# KiCad board Keyboard2.kicad_pcb
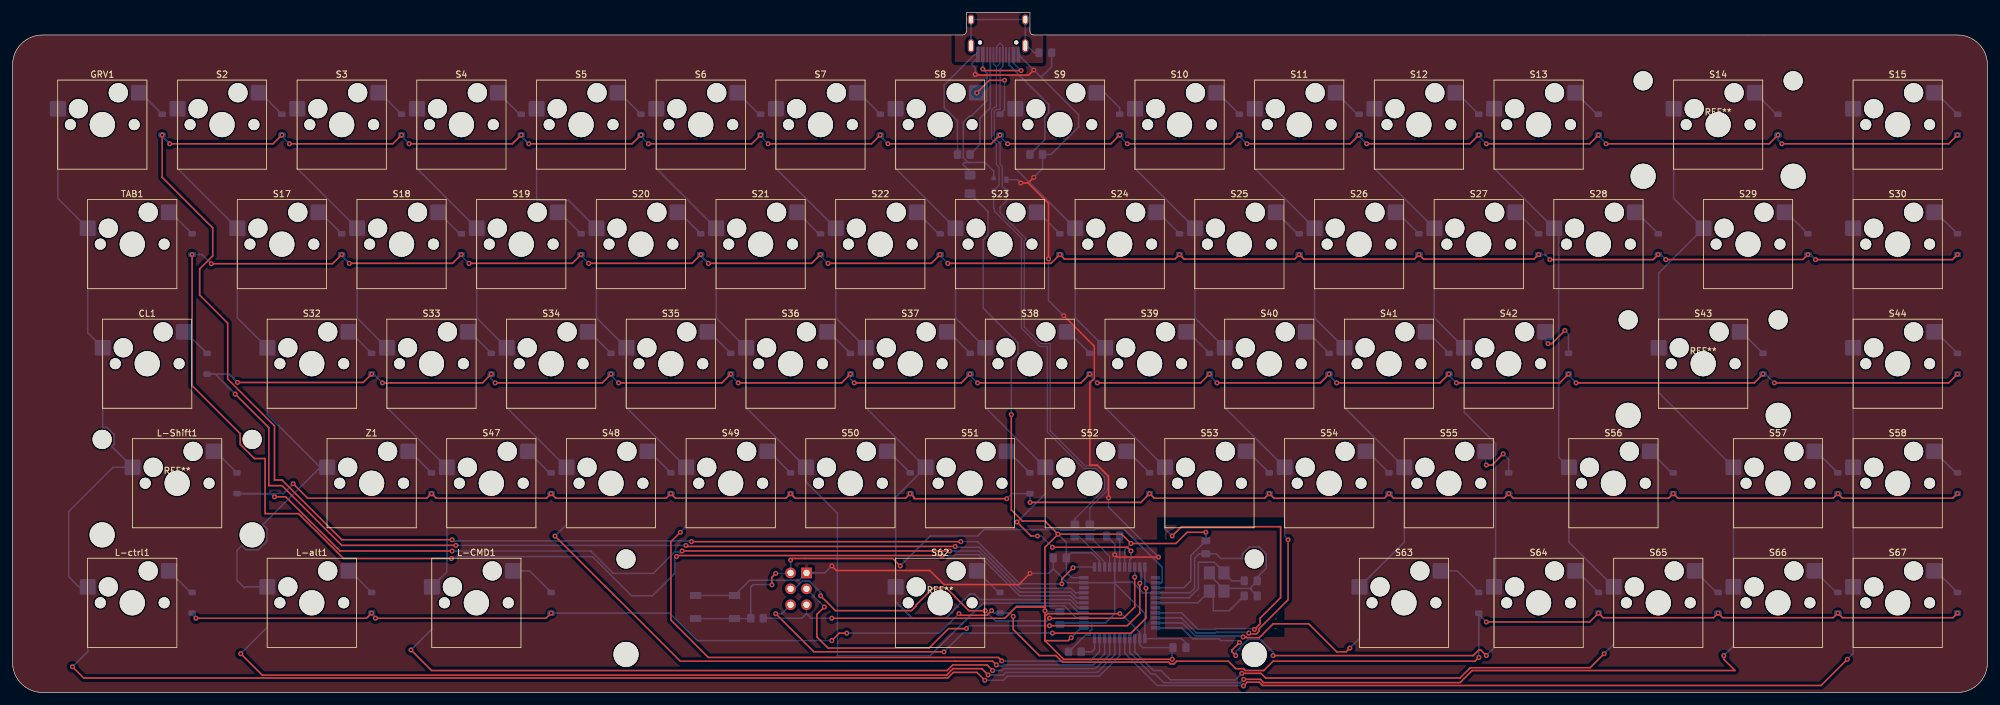
[diagram p0: board, top side]
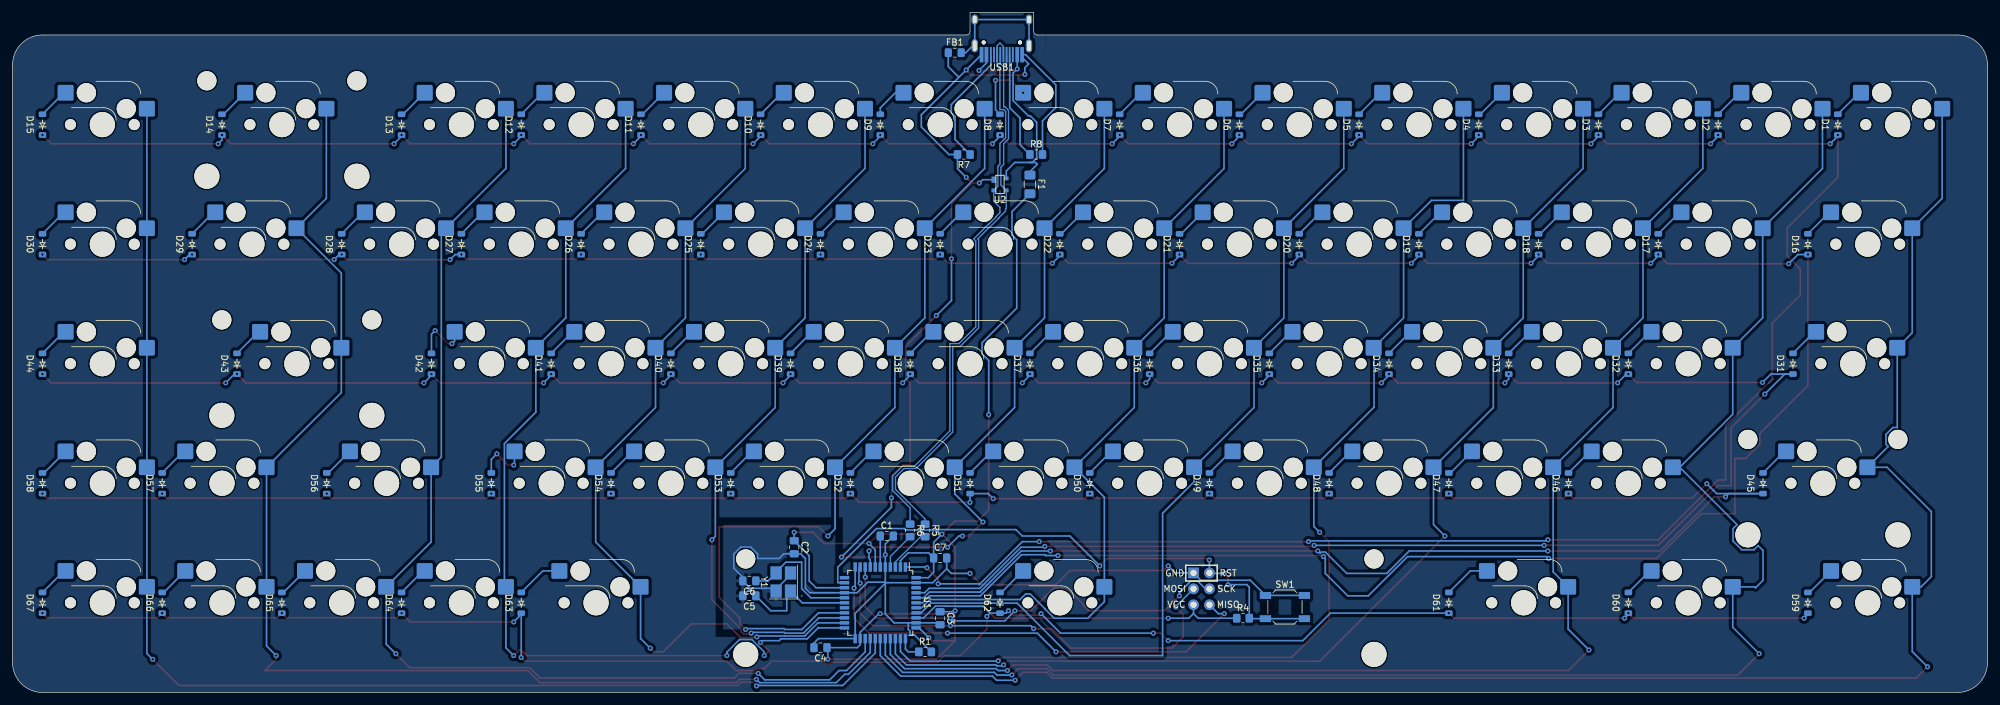
[diagram p1: board, bottom side, seen from below]

Outline 314.33 x 108.35 mm; copper layers: Top, Bottom. Coordinates in mm from the lower left corner of the outline.
Outline path: 0,100.01 0,4.76 arc(1.39,1.39) 4.76,0 309.56,0 arc(312.93,1.39) 314.33,4.76 314.33,100.01 arc(312.93,103.38) 309.56,104.78 276.23,104.78 162.52,104.78 arc(162.1,104.95) 161.93,105.37 161.93,108.35 151.8,108.35 151.8,105.37 arc(151.63,104.95) 151.21,104.78 4.76,104.78 arc(1.39,103.38) 0,100.01

## Placement (name value [footprint] x y rotation side)
C1  1uF  [C_0805_2012Metric_Pad1.18x1.45mm_HandSolder]  175.18 24.93 180 bottom
C2  0.1uF  [C_0805_2012Metric_Pad1.18x1.45mm_HandSolder]  189.92 23.14 270 bottom
C3  0.1uF  [C_0805_2012Metric_Pad1.18x1.45mm_HandSolder]  166.7 11.83 270 bottom
C4  0.1uF  [C_0805_2012Metric_Pad1.18x1.45mm_HandSolder]  185.74 7.14 0 bottom
C5  22pF  [C_0805_2012Metric_Pad1.18x1.45mm_HandSolder]  197.06 15.4 0 bottom
C6  22pF  [C_0805_2012Metric_Pad1.18x1.45mm_HandSolder]  197.06 17.78 0 bottom
C7  10uF  [C_0805_2012Metric_Pad1.18x1.45mm_HandSolder]  166.69 21.43 180 bottom
CL1  Keyswitch  [Hotswap_MX_1.75u]  21.43 52.39 0 top
D1  Diode  [Diode_SOD-123]  23.81 90.49 90 bottom
D2  Diode  [Diode_SOD-123]  42.86 90.49 90 bottom
D3  Diode  [Diode_SOD-123]  61.91 90.49 90 bottom
D4  Diode  [Diode_SOD-123]  80.96 90.49 90 bottom
D5  Diode  [Diode_SOD-123]  100.01 90.49 90 bottom
D6  Diode  [Diode_SOD-123]  119.06 90.49 90 bottom
D7  Diode  [Diode_SOD-123]  138.11 90.49 90 bottom
D8  Diode  [Diode_SOD-123]  157.16 90.49 90 bottom
D9  Diode  [Diode_SOD-123]  176.21 90.49 90 bottom
D10  Diode  [Diode_SOD-123]  195.26 90.49 90 bottom
D11  Diode  [Diode_SOD-123]  214.31 90.49 90 bottom
D12  Diode  [Diode_SOD-123]  233.36 90.49 90 bottom
D13  Diode  [Diode_SOD-123]  252.41 90.49 90 bottom
D14  Diode  [Diode_SOD-123]  280.99 90.49 90 bottom
D15  Diode  [Diode_SOD-123]  309.56 90.49 90 bottom
D16  Diode  [Diode_SOD-123]  28.58 71.44 90 bottom
D17  Diode  [Diode_SOD-123]  52.39 71.44 90 bottom
D18  Diode  [Diode_SOD-123]  71.44 71.44 90 bottom
D19  Diode  [Diode_SOD-123]  90.49 71.44 90 bottom
D20  Diode  [Diode_SOD-123]  109.54 71.44 90 bottom
D21  Diode  [Diode_SOD-123]  128.59 71.44 90 bottom
D22  Diode  [Diode_SOD-123]  147.64 71.44 90 bottom
D23  Diode  [Diode_SOD-123]  166.69 71.44 90 bottom
D24  Diode  [Diode_SOD-123]  185.74 71.44 90 bottom
D25  Diode  [Diode_SOD-123]  204.79 71.44 90 bottom
D26  Diode  [Diode_SOD-123]  223.84 71.44 90 bottom
D27  Diode  [Diode_SOD-123]  242.89 71.44 90 bottom
D28  Diode  [Diode_SOD-123]  261.94 71.44 90 bottom
D29  Diode  [Diode_SOD-123]  285.75 71.44 90 bottom
D30  Diode  [Diode_SOD-123]  309.56 71.44 90 bottom
D31  Diode  [Diode_SOD-123]  30.96 52.39 90 bottom
D32  Diode  [Diode_SOD-123]  57.15 52.39 90 bottom
D33  Diode  [Diode_SOD-123]  76.2 52.39 90 bottom
D34  Diode  [Diode_SOD-123]  95.25 52.39 90 bottom
D35  Diode  [Diode_SOD-123]  114.3 52.39 90 bottom
D36  Diode  [Diode_SOD-123]  133.35 52.39 90 bottom
D37  Diode  [Diode_SOD-123]  152.4 52.39 90 bottom
D38  Diode  [Diode_SOD-123]  171.45 52.39 90 bottom
D39  Diode  [Diode_SOD-123]  190.5 52.39 90 bottom
D40  Diode  [Diode_SOD-123]  209.55 52.39 90 bottom
D41  Diode  [Diode_SOD-123]  228.6 52.39 90 bottom
D42  Diode  [Diode_SOD-123]  247.65 52.39 90 bottom
D43  Diode  [Diode_SOD-123]  278.61 52.39 90 bottom
D44  Diode  [Diode_SOD-123]  309.56 52.39 90 bottom
D45  Diode  [Diode_SOD-123]  35.72 33.34 90 bottom
D46  Diode  [Diode_SOD-123]  66.68 33.34 90 bottom
D47  Diode  [Diode_SOD-123]  85.73 33.34 90 bottom
D48  Diode  [Diode_SOD-123]  104.78 33.34 90 bottom
D49  Diode  [Diode_SOD-123]  123.83 33.34 90 bottom
D50  Diode  [Diode_SOD-123]  142.88 33.34 90 bottom
D51  Diode  [Diode_SOD-123]  161.93 33.34 90 bottom
D52  Diode  [Diode_SOD-123]  180.98 33.34 90 bottom
D53  Diode  [Diode_SOD-123]  200.03 33.34 90 bottom
D54  Diode  [Diode_SOD-123]  219.08 33.34 90 bottom
D55  Diode  [Diode_SOD-123]  238.13 33.34 90 bottom
D56  Diode  [Diode_SOD-123]  264.32 33.34 90 bottom
D57  Diode  [Diode_SOD-123]  290.51 33.34 90 bottom
D58  Diode  [Diode_SOD-123]  309.56 33.34 90 bottom
D59  Diode  [Diode_SOD-123]  28.58 14.29 90 bottom
D60  Diode  [Diode_SOD-123]  57.15 14.29 90 bottom
D61  Diode  [Diode_SOD-123]  85.73 14.29 90 bottom
D62  Diode  [Diode_SOD-123]  157.16 14.29 90 bottom
D63  Diode  [Diode_SOD-123]  233.36 14.29 90 bottom
D64  Diode  [Diode_SOD-123]  252.41 14.29 90 bottom
D65  Diode  [Diode_SOD-123]  271.46 14.29 90 bottom
D66  Diode  [Diode_SOD-123]  290.51 14.29 90 bottom
D67  Diode  [Diode_SOD-123]  309.56 14.29 90 bottom
F1  500m  [Fuse_1206_3216Metric_Pad1.42x1.75mm_HandSolder]  152.4 80.96 270 bottom
FB1  60@100MHz  [L_0805_2012Metric_Pad1.15x1.40mm_HandSolder]  164.37 101.95 180 bottom
GRV1  Keyswitch  [Hotswap_MX_1.00u]  14.29 90.49 0 top
J1  AVR-ISP-6  [Reset_Pretty-Mask]  125.1 16.51 0 bottom
L-alt1  Keyswitch  [Hotswap_MX_1.50u]  47.63 14.29 0 top
L-CMD1  Keyswitch  [Hotswap_MX_1.25u]  73.82 14.29 0 top
L-ctrl1  Keyswitch  [Hotswap_MX_1.50u]  19.05 14.29 0 top
L-Shift1  Keyswitch  [Hotswap_MX_2.25u]  26.19 33.34 0 top
R1  10k  [R_0805_2012Metric_Pad1.20x1.40mm_HandSolder]  169.08 6.47 180 bottom
R4  10k  [R_0805_2012Metric_Pad1.20x1.40mm_HandSolder]  118.48 11.83 180 bottom
R5  22  [R_0805_2012Metric_Pad1.20x1.40mm_HandSolder]  169.08 25.82 270 bottom
R6  22  [R_0805_2012Metric_Pad1.20x1.40mm_HandSolder]  171.46 25.82 270 bottom
R7  5.1k  [R_0805_2012Metric_Pad1.20x1.40mm_HandSolder]  162.93 85.73 0 bottom
R8  5.1k  [R_0805_2012Metric_Pad1.20x1.40mm_HandSolder]  151.4 85.73 180 bottom
REF**  -  [Stabilizer_MX_2.00u]  269.08 52.39 0 top
REF**#2  -  [Stabilizer_MX_2.00u]  26.19 33.34 0 top
REF**#3  -  [Stabilizer_MX_6.25u]  147.64 14.29 0 top
REF**#4  -  [Stabilizer_MX_2.00u]  271.46 90.49 0 top
S2  Keyswitch  [Hotswap_MX_1.00u]  33.34 90.49 0 top
S3  Keyswitch  [Hotswap_MX_1.00u]  52.39 90.49 0 top
S4  Keyswitch  [Hotswap_MX_1.00u]  71.44 90.49 0 top
S5  Keyswitch  [Hotswap_MX_1.00u]  90.49 90.49 0 top
S6  Keyswitch  [Hotswap_MX_1.00u]  109.54 90.49 0 top
S7  Keyswitch  [Hotswap_MX_1.00u]  128.59 90.49 0 top
S8  Keyswitch  [Hotswap_MX_1.00u]  147.64 90.49 0 top
S9  Keyswitch  [Hotswap_MX_1.00u]  166.69 90.49 0 top
S10  Keyswitch  [Hotswap_MX_1.00u]  185.74 90.49 0 top
S11  Keyswitch  [Hotswap_MX_1.00u]  204.79 90.49 0 top
S12  Keyswitch  [Hotswap_MX_1.00u]  223.84 90.49 0 top
S13  Keyswitch  [Hotswap_MX_1.00u]  242.89 90.49 0 top
S14  Keyswitch  [Hotswap_MX_2.00u]  271.46 90.49 0 top
S15  Keyswitch  [Hotswap_MX_1.00u]  300.04 90.49 0 top
S17  Keyswitch  [Hotswap_MX_1.00u]  42.86 71.44 0 top
S18  Keyswitch  [Hotswap_MX_1.00u]  61.91 71.44 0 top
S19  Keyswitch  [Hotswap_MX_1.00u]  80.96 71.44 0 top
S20  Keyswitch  [Hotswap_MX_1.00u]  100.01 71.44 0 top
S21  Keyswitch  [Hotswap_MX_1.00u]  119.06 71.44 0 top
S22  Keyswitch  [Hotswap_MX_1.00u]  138.11 71.44 0 top
S23  Keyswitch  [Hotswap_MX_1.00u]  157.16 71.44 0 top
S24  Keyswitch  [Hotswap_MX_1.00u]  176.21 71.44 0 top
S25  Keyswitch  [Hotswap_MX_1.00u]  195.26 71.44 0 top
S26  Keyswitch  [Hotswap_MX_1.00u]  214.31 71.44 0 top
S27  Keyswitch  [Hotswap_MX_1.00u]  233.36 71.44 0 top
S28  Keyswitch  [Hotswap_MX_1.00u]  252.41 71.44 0 top
S29  Keyswitch  [Hotswap_MX_1.50u]  276.23 71.44 0 top
S30  Keyswitch  [Hotswap_MX_1.00u]  300.04 71.44 0 top
S32  Keyswitch  [Hotswap_MX_1.00u]  47.63 52.39 0 top
S33  Keyswitch  [Hotswap_MX_1.00u]  66.68 52.39 0 top
S34  Keyswitch  [Hotswap_MX_1.00u]  85.73 52.39 0 top
S35  Keyswitch  [Hotswap_MX_1.00u]  104.78 52.39 0 top
S36  Keyswitch  [Hotswap_MX_1.00u]  123.83 52.39 0 top
S37  Keyswitch  [Hotswap_MX_1.00u]  142.88 52.39 0 top
S38  Keyswitch  [Hotswap_MX_1.00u]  161.93 52.39 0 top
S39  Keyswitch  [Hotswap_MX_1.00u]  180.98 52.39 0 top
S40  Keyswitch  [Hotswap_MX_1.00u]  200.03 52.39 0 top
S41  Keyswitch  [Hotswap_MX_1.00u]  219.08 52.39 0 top
S42  Keyswitch  [Hotswap_MX_1.00u]  238.13 52.39 0 top
S43  Keyswitch  [Hotswap_MX_2.25u]  269.08 52.39 0 top
S44  Keyswitch  [Hotswap_MX_1.00u]  300.04 52.39 0 top
S47  Keyswitch  [Hotswap_MX_1.00u]  76.2 33.34 0 top
S48  Keyswitch  [Hotswap_MX_1.00u]  95.25 33.34 0 top
S49  Keyswitch  [Hotswap_MX_1.00u]  114.3 33.34 0 top
S50  Keyswitch  [Hotswap_MX_1.00u]  133.35 33.34 0 top
S51  Keyswitch  [Hotswap_MX_1.00u]  152.4 33.34 0 top
S52  Keyswitch  [Hotswap_MX_1.00u]  171.45 33.34 0 top
S53  Keyswitch  [Hotswap_MX_1.00u]  190.5 33.34 0 top
S54  Keyswitch  [Hotswap_MX_1.00u]  209.55 33.34 0 top
S55  Keyswitch  [Hotswap_MX_1.00u]  228.6 33.34 0 top
S56  Keyswitch  [Hotswap_MX_1.75u]  254.79 33.34 0 top
S57  Keyswitch  [Hotswap_MX_1.00u]  280.99 33.34 0 top
S58  Keyswitch  [Hotswap_MX_1.00u]  300.04 33.34 0 top
S62  Keyswitch  [Hotswap_MX_6.50u]  147.64 14.29 0 top
S63  Keyswitch  [Hotswap_MX_1.25u]  221.46 14.29 0 top
S64  Keyswitch  [Hotswap_MX_1.00u]  242.89 14.29 0 top
S65  Keyswitch  [Hotswap_MX_1.00u]  261.94 14.29 0 top
S66  Keyswitch  [Hotswap_MX_1.00u]  280.99 14.29 0 top
S67  Keyswitch  [Hotswap_MX_1.00u]  300.04 14.29 0 top
SW1  SW_Push  [SW_SPST_SKQG_WithStem]  111.81 13.61 180 bottom
TAB1  Keyswitch  [Hotswap_MX_1.50u]  19.05 71.44 0 top
U1  ATmega32U4-A  [TQFP-44_10x10mm_P0.8mm]  176.21 14.29 270 bottom
U2  PRTR5V0U2X  [SOT143B]  157.16 80.96 180 bottom
USB1  HRO-TYPE-C-31-M-12  [HRO-TYPE-C-31-M-12-HandSoldering]  156.87 109.83 0 bottom
Y1  16MHz  [Crystal_SMD_3225-4Pin_3.2x2.5mm_HandSoldering]  191.65 17.6 90 bottom
Z1  Keyswitch  [Hotswap_MX_1.00u]  57.15 33.34 0 top

## Library data of the parts
C1-C7 = -: Description: Unpolarized capacitor, small symbol
CL1 GRV1 L-alt1 L-CMD1 L-ctrl1 L-Shift1 S2-S15 S17-S30 S32-S44 S47-S58 S62-S67 TAB1 Z1 = -: Description: Push button switch, normally open, two pins, 45° tilted
D1-D67 = -: Description: 1N4148 (DO-35) or 1N4148W (SOD-123); Sim.Device: D; Sim.Pins: 1=K 2=A
F1 = -: Description: Resettable fuse, polymeric positive temperature coefficient, small symbol
FB1 = -: Description: Ferrite bead, small symbol
J1 = -: Description: Atmel 6-pin ISP connector
R1 R4-R8 = -: Description: Resistor, small symbol
SW1 = -: Description: Push button switch, generic, two pins
U1 = -: Description: 16MHz, 32kB Flash, 2.5kB SRAM, 1kB EEPROM, USB 2.0, TQFP-44
Y1 = -: Description: Four pin crystal, GND on pins 2 and 4, small symbol

## Footprints (pads in the part's own frame, mm; a bottom-side part is the same pattern mirrored in y, then rotated)
C_0805_2012Metric_Pad1.18x1.45mm_HandSolder
  rrect 1.175x1.45 smd: 1(-1.038,0) 2(1.038,0)
Crystal_SMD_3225-4Pin_3.2x2.5mm_HandSoldering
  rect 2.1x1.8 smd: 1(-1.45,-1.15) 2(1.45,-1.15) 3(1.45,1.15) 4(-1.45,1.15)
Diode_SOD-123
  rrect 0.9x1.2 smd: 1(-1.65,0) 2(1.65,0)
Fuse_1206_3216Metric_Pad1.42x1.75mm_HandSolder
  rrect 1.425x1.75 smd: 1(-1.488,0) 2(1.488,0)
Hotswap_MX_1.00u
  round 1.75 hole 1.75 unplated: (-5.08,0) (5.08,0)
  round 3.05 hole 3.05 unplated: (-3.81,2.54) (2.54,5.08)
  round 4 hole 4 unplated: (0,0)
  rrect 2.55x2.5 smd far side: 1(-7.085,2.54) 2(5.842,5.08)
Hotswap_MX_1.25u
  round 1.75 hole 1.75 unplated: (-5.08,0) (5.08,0)
  round 3.05 hole 3.05 unplated: (-3.81,2.54) (2.54,5.08)
  round 4 hole 4 unplated: (0,0)
  rrect 2.55x2.5 smd far side: 1(-7.085,2.54) 2(5.842,5.08)
Hotswap_MX_1.50u
  round 1.75 hole 1.75 unplated: (-5.08,0) (5.08,0)
  round 3.05 hole 3.05 unplated: (-3.81,2.54) (2.54,5.08)
  round 4 hole 4 unplated: (0,0)
  rrect 2.55x2.5 smd far side: 1(-7.085,2.54) 2(5.842,5.08)
Hotswap_MX_1.75u
  round 1.75 hole 1.75 unplated: (-5.08,0) (5.08,0)
  round 3.05 hole 3.05 unplated: (-3.81,2.54) (2.54,5.08)
  round 4 hole 4 unplated: (0,0)
  rrect 2.55x2.5 smd far side: 1(-7.085,2.54) 2(5.842,5.08)
Hotswap_MX_2.00u
  round 1.75 hole 1.75 unplated: (-5.08,0) (5.08,0)
  round 3.05 hole 3.05 unplated: (-3.81,2.54) (2.54,5.08)
  round 4 hole 4 unplated: (0,0)
  rrect 2.55x2.5 smd far side: 1(-7.085,2.54) 2(5.842,5.08)
Hotswap_MX_2.25u
  round 1.75 hole 1.75 unplated: (-5.08,0) (5.08,0)
  round 3.05 hole 3.05 unplated: (-3.81,2.54) (2.54,5.08)
  round 4 hole 4 unplated: (0,0)
  rrect 2.55x2.5 smd far side: 1(-7.085,2.54) 2(5.842,5.08)
Hotswap_MX_6.50u
  round 1.75 hole 1.75 unplated: (-5.08,0) (5.08,0)
  round 3.05 hole 3.05 unplated: (-3.81,2.54) (2.54,5.08)
  round 4 hole 4 unplated: (0,0)
  rrect 2.55x2.5 smd far side: 1(-7.085,2.54) 2(5.842,5.08)
HRO-TYPE-C-31-M-12-HandSoldering
  round 0.65 hole 0.65 unplated: (-2.89,6.25) (2.89,6.25)
  rect 0.6x2.45 smd: 1(-3.225,8.195) 2(-2.45,8.195) 11(2.45,8.195) 12(3.225,8.195)
  rect 0.3x2.45 smd: 3(-1.75,8.195) 4(-1.25,8.195) 5(-0.75,8.195) 6(-0.25,8.195) 7(0.25,8.195) 8(0.75,8.195) 9(1.25,8.195) 10(1.75,8.195)
  oval 1x1.6 hole 0.6x1.2: 13(-4.32,2.6) 13(4.32,2.6)
  oval 1x2.1 hole 0.6x1.7: 13(-4.32,6.78) 13(4.32,6.78)
L_0805_2012Metric_Pad1.15x1.40mm_HandSolder
  rrect 1.15x1.4 smd: 1(-1.025,0) 2(1.025,0)
R_0805_2012Metric_Pad1.20x1.40mm_HandSolder
  rrect 1.2x1.4 smd: 1(-1,0) 2(1,0)
Reset_Pretty-Mask
  round 1.7 hole 1: 1(-1.27,2.54) 2(1.27,2.54) 3(-1.27,0) 4(1.27,0) 5(-1.27,-2.54)
  rect 1.7x1.7 hole 1: 6(1.27,-2.54)
SOT143B
  rect 0.7x1 smd: 1(-1,0.75)
  rect 0.7x0.6 smd: 2(-1,-0.95) 3(1,-0.95) 4(1,0.95)
Stabilizer_MX_2.00u
  round 3.048 hole 3.048 unplated: (-11.938,6.985) (11.938,6.985)
  round 3.988 hole 3.988 unplated: (-11.938,-8.225) (11.938,-8.225)
Stabilizer_MX_6.25u
  round 3.048 hole 3.048 unplated: (-50,6.985) (50,6.985)
  round 3.988 hole 3.988 unplated: (-50,-8.225) (50,-8.225)
SW_SPST_SKQG_WithStem
  rect 1.8x1.1 smd: 1(-3.1,1.85) 1(3.1,1.85) 2(-3.1,-1.85) 2(3.1,-1.85)
TQFP-44_10x10mm_P0.8mm
  rect 1.5x0.55 smd: 1(-5.7,4) 2(-5.7,3.2) 3(-5.7,2.4) 4(-5.7,1.6) 5(-5.7,0.8) 6(-5.7,0) 7(-5.7,-0.8) 8(-5.7,-1.6) 9(-5.7,-2.4) 10(-5.7,-3.2) 11(-5.7,-4) 23(5.7,-4) 24(5.7,-3.2) 25(5.7,-2.4) 26(5.7,-1.6) 27(5.7,-0.8) 28(5.7,0) 29(5.7,0.8) 30(5.7,1.6) 31(5.7,2.4) 32(5.7,3.2) 33(5.7,4)
  rect 0.55x1.5 smd: 12(-4,-5.7) 13(-3.2,-5.7) 14(-2.4,-5.7) 15(-1.6,-5.7) 16(-0.8,-5.7) 17(0,-5.7) 18(0.8,-5.7) 19(1.6,-5.7) 20(2.4,-5.7) 21(3.2,-5.7) 22(4,-5.7) 34(4,5.7) 35(3.2,5.7) 36(2.4,5.7) 37(1.6,5.7) 38(0.8,5.7) 39(0,5.7) 40(-0.8,5.7) 41(-1.6,5.7) 42(-2.4,5.7) 43(-3.2,5.7) 44(-4,5.7)

## Nets
+5V: C2.1 C3.1 C4.1 C7.1 F1.2 J1.2 R4.1 U1.2 U1.7 U1.14 U1.24 U1.34 U1.44
GND: C1.2 C2.2 C3.2 C4.2 C5.2 C6.2 C7.2 FB1.1 J1.6 R1.2 R7.2 R8.2 SW1.1 U1.5 U1.15 U1.23 U1.35 U1.43 U2.1 USB1.1 USB1.12 Y1.2 Y1.4
VCC: F1.1 U2.4 USB1.2 USB1.11
col0: CL1.1 GRV1.1 L-ctrl1.1 L-Shift1.1 TAB1.1 U1.28
col1: L-alt1.1 S2.1 S17.1 S32.1 U1.29 Z1.1
col2: L-CMD1.1 S3.1 S18.1 S33.1 S47.1 U1.30
col3: S4.1 S19.1 S34.1 S48.1 U1.31
col4: S5.1 S20.1 S35.1 S49.1 U1.32
col5: S6.1 S21.1 S36.1 S50.1 U1.37
col6: S7.1 S22.1 S37.1 S51.1 S62.1 U1.38
col7: S8.1 S23.1 S38.1 S52.1 U1.8
col8: S9.1 S24.1 S39.1 S53.1 U1.19
col9: S10.1 S25.1 S40.1 S54.1 U1.20
col10: S11.1 S26.1 S41.1 S55.1 S63.1 U1.21
col11: S12.1 S27.1 S42.1 S64.1 U1.22
col12: S13.1 S28.1 S56.1 S65.1 U1.25
col13: S14.1 S29.1 S43.1 S57.1 S66.1 U1.26
col14: S15.1 S30.1 S44.1 S58.1 S67.1 U1.27
D+: R6.2 U1.4
D-: R5.2 U1.3
DN: R5.1 U2.3 USB1.5 USB1.7
DP: R6.1 U2.2 USB1.6 USB1.8
Earth: FB1.2 USB1.13
MISO: J1.1 U1.11
MOSI: J1.4 U1.10
RESET: J1.5 R4.2 SW1.2 U1.13
row0: D1.1 D2.1 D3.1 D4.1 D5.1 D6.1 D7.1 D8.1 D9.1 D10.1 D11.1 D12.1 D13.1 D14.1 D15.1 U1.1
row1: D16.1 D17.1 D18.1 D19.1 D20.1 D21.1 D22.1 D23.1 D24.1 D25.1 D26.1 D27.1 D28.1 D29.1 D30.1 U1.39
row2: D31.1 D32.1 D33.1 D34.1 D35.1 D36.1 D37.1 D38.1 D39.1 D40.1 D41.1 D42.1 D43.1 D44.1 U1.41
row3: D45.1 D46.1 D47.1 D48.1 D49.1 D50.1 D51.1 D52.1 D53.1 D54.1 D55.1 D56.1 D57.1 D58.1 U1.40
row4: D59.1 D60.1 D61.1 D62.1 D63.1 D64.1 D65.1 D66.1 D67.1 U1.36
SCK: J1.3 U1.9
Net-(D1-A): D1.2 GRV1.2
Net-(D2-A): D2.2 S2.2
Net-(D3-A): D3.2 S3.2
Net-(D4-A): D4.2 S4.2
Net-(D5-A): D5.2 S5.2
Net-(D6-A): D6.2 S6.2
Net-(D7-A): D7.2 S7.2
Net-(D8-A): D8.2 S8.2
Net-(D9-A): D9.2 S9.2
Net-(D10-A): D10.2 S10.2
Net-(D11-A): D11.2 S11.2
Net-(D12-A): D12.2 S12.2
Net-(D13-A): D13.2 S13.2
Net-(D14-A): D14.2 S14.2
Net-(D15-A): D15.2 S15.2
Net-(D16-A): D16.2 TAB1.2
Net-(D17-A): D17.2 S17.2
Net-(D18-A): D18.2 S18.2
Net-(D19-A): D19.2 S19.2
Net-(D20-A): D20.2 S20.2
Net-(D21-A): D21.2 S21.2
Net-(D22-A): D22.2 S22.2
Net-(D23-A): D23.2 S23.2
Net-(D24-A): D24.2 S24.2
Net-(D25-A): D25.2 S25.2
Net-(D26-A): D26.2 S26.2
Net-(D27-A): D27.2 S27.2
Net-(D28-A): D28.2 S28.2
Net-(D29-A): D29.2 S29.2
Net-(D30-A): D30.2 S30.2
Net-(D31-A): CL1.2 D31.2
Net-(D32-A): D32.2 S32.2
Net-(D33-A): D33.2 S33.2
Net-(D34-A): D34.2 S34.2
Net-(D35-A): D35.2 S35.2
Net-(D36-A): D36.2 S36.2
Net-(D37-A): D37.2 S37.2
Net-(D38-A): D38.2 S38.2
Net-(D39-A): D39.2 S39.2
Net-(D40-A): D40.2 S40.2
Net-(D41-A): D41.2 S41.2
Net-(D42-A): D42.2 S42.2
Net-(D43-A): D43.2 S43.2
Net-(D44-A): D44.2 S44.2
Net-(D45-A): D45.2 L-Shift1.2
Net-(D46-A): D46.2 Z1.2
Net-(D47-A): D47.2 S47.2
Net-(D48-A): D48.2 S48.2
Net-(D49-A): D49.2 S49.2
Net-(D50-A): D50.2 S50.2
Net-(D51-A): D51.2 S51.2
Net-(D52-A): D52.2 S52.2
Net-(D53-A): D53.2 S53.2
Net-(D54-A): D54.2 S54.2
Net-(D55-A): D55.2 S55.2
Net-(D56-A): D56.2 S56.2
Net-(D57-A): D57.2 S57.2
Net-(D58-A): D58.2 S58.2
Net-(D59-A): D59.2 L-ctrl1.2
Net-(D60-A): D60.2 L-alt1.2
Net-(D61-A): D61.2 L-CMD1.2
Net-(D62-A): D62.2 S62.2
Net-(D63-A): D63.2 S63.2
Net-(D64-A): D64.2 S64.2
Net-(D65-A): D65.2 S65.2
Net-(D66-A): D66.2 S66.2
Net-(D67-A): D67.2 S67.2
Net-(U1-UCAP): C1.1 U1.6
Net-(U1-XTAL1): C5.1 U1.17 Y1.1
Net-(U1-XTAL2): C6.1 U1.16 Y1.3
Net-(U1-~{HWB}/PE2): R1.1 U1.33
Net-(USB1-CC1): R8.1 USB1.4
Net-(USB1-CC2): R7.1 USB1.10

Pads without a net: U1 12 18 42; USB1 3 9

## Via types
v1: diameter 0.8, hole 0.4, Top to Bottom, 200 vias
